# Altium PCB PCB1.PcbDoc (part 13 of 15)
Units mm, origin at the board's own origin, x right, y up, seen from the top; angles counter-clockwise.
Board outline 77.21 x 58.7 mm, 2 copper layers (Top Layer, Bottom Layer); 194 components, 134 nets, 25878 pads, 596 vias.
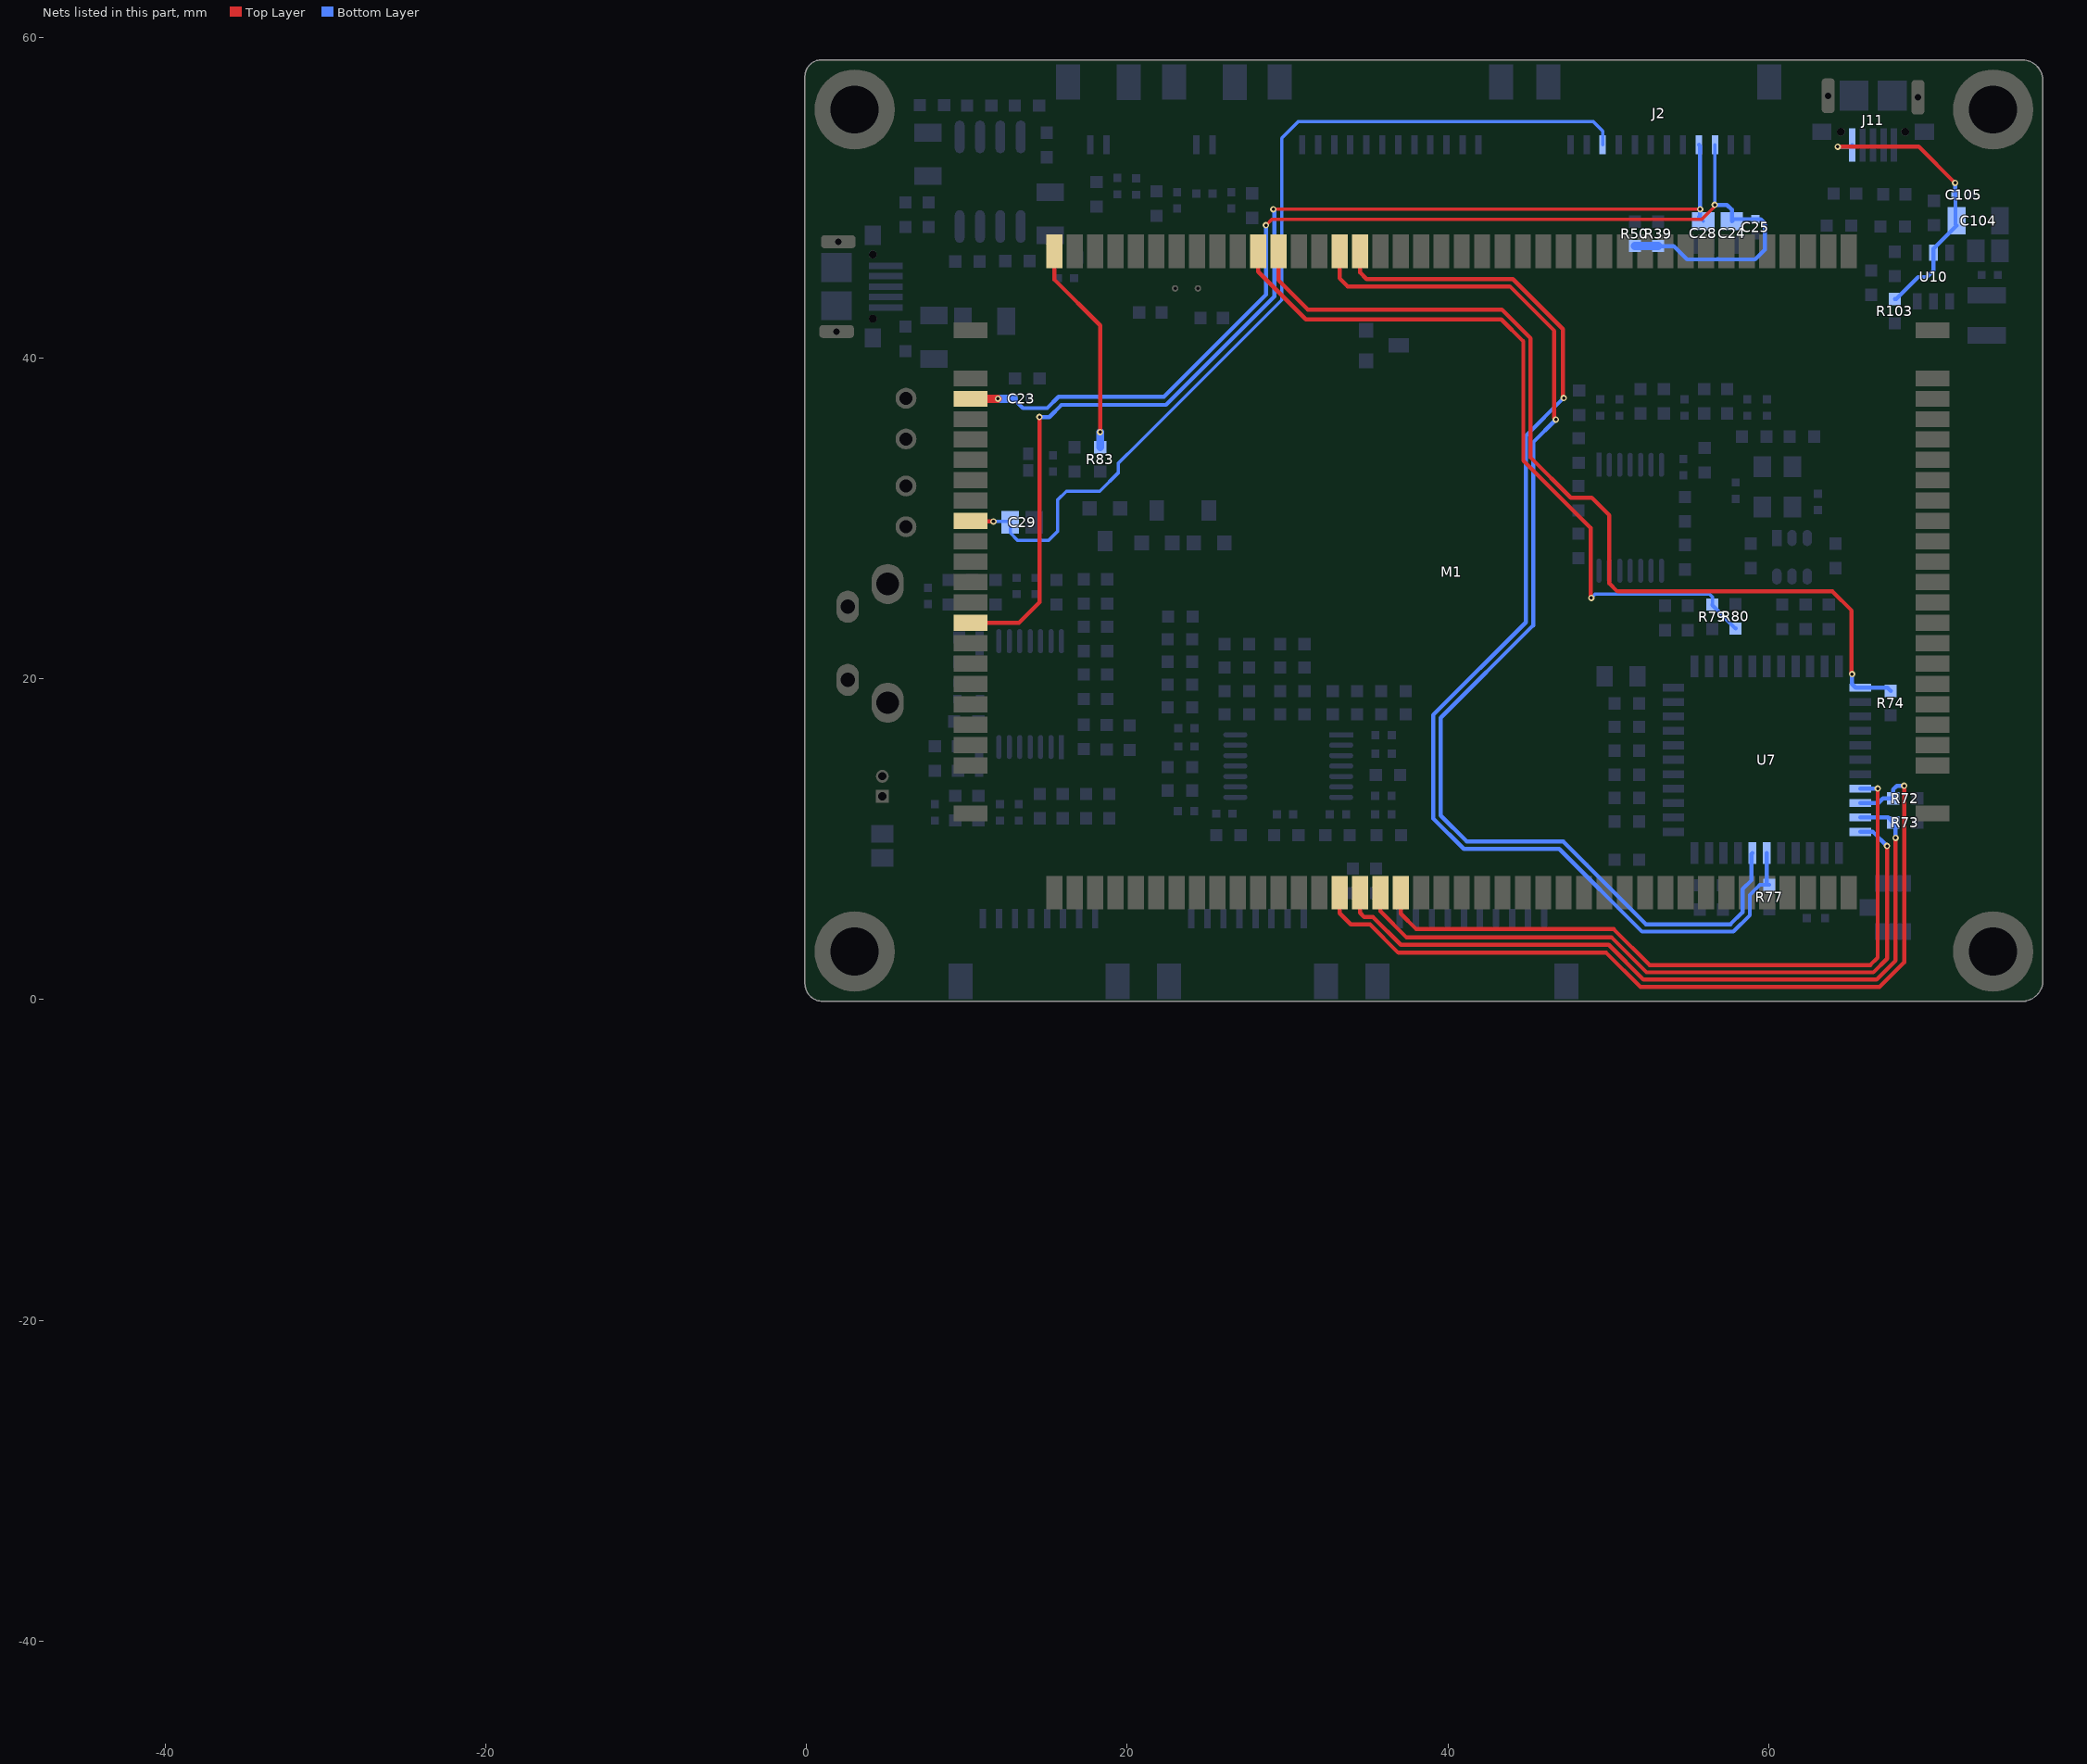
[diagram p13: the nets of this part, all layers, seen from the top]

## Free pads (board coordinates) (continued)
  round 0.001 on Mech2: 1(-45.292,-43.983) 1(-45.292,-43.983) 1(-45.292,-43.983) 1(-45.292,-43.982) 1(-45.292,-43.982) 1(-45.292,-43.982) 1(-45.292,-43.982) 1(-45.292,-43.982) 1(-45.292,-43.982) 1(-45.292,-43.979) 1(-45.292,-43.979) 1(-45.292,-43.979) 1(-45.292,-43.979) 1(-45.292,-43.979) 1(-45.292,-43.979) 1(-45.292,-43.978) 1(-45.292,-43.978) 1(-45.292,-43.978) 1(-45.291,-44.005) 1(-45.291,-44.005) 1(-45.291,-44.005) 1(-45.291,-44) 1(-45.291,-44) 1(-45.291,-44) 1(-45.289,-44.015) 1(-45.289,-44.015) 1(-45.289,-44.015) 1(-45.289,-44.012) 1(-45.289,-44.012) 1(-45.289,-44.012) 1(-45.289,-44.012) 1(-45.289,-44.012) 1(-45.289,-44.012) 1(-45.289,-44.011) 1(-45.289,-44.011) 1(-45.289,-44.011) 1(-45.289,-44.012) 1(-45.289,-44.012) 1(-45.289,-44.012) 1(-45.289,-43.975) 1(-45.289,-43.975) 1(-45.289,-43.975) 1(-45.287,-43.984) 1(-45.287,-43.984) 1(-45.287,-43.984) 1(-45.287,-43.975) 1(-45.287,-43.975) 1(-45.287,-43.975) 1(-45.287,-43.995) 1(-45.287,-43.995) 1(-45.287,-43.995) 1(-45.287,-43.993) 1(-45.287,-43.993) 1(-45.287,-43.993) 1(-45.287,-43.99) 1(-45.287,-43.99) 1(-45.287,-43.99) 1(-45.287,-43.987) 1(-45.287,-43.987) 1(-45.287,-43.987) 1(-45.287,-43.985) 1(-45.287,-43.985) 1(-45.287,-43.985) 1(-45.287,-43.985) 1(-45.287,-43.985) 1(-45.287,-43.985) 1(-45.287,-43.986) 1(-45.287,-43.986) 1(-45.287,-43.986) 1(-45.286,-43.971) 1(-45.286,-43.971) 1(-45.286,-43.971) 1(-45.286,-43.975) 1(-45.286,-43.975) 1(-45.286,-43.975) 1(-45.286,-43.985) 1(-45.286,-43.985) 1(-45.286,-43.985) 1(-45.285,-43.998) 1(-45.285,-43.998) 1(-45.285,-43.998) 1(-45.285,-43.998) 1(-45.285,-43.998) 1(-45.285,-43.998) 1(-45.285,-43.997) 1(-45.285,-43.997) 1(-45.285,-43.997) 1(-45.285,-43.975) 1(-45.285,-43.975) 1(-45.285,-43.975) 1(-45.285,-43.975) 1(-45.285,-43.975) 1(-45.285,-43.975) 1(-45.285,-43.969) 1(-45.285,-43.969) 1(-45.285,-43.969) 1(-45.285,-43.969) 1(-45.285,-43.969) 1(-45.285,-43.969) 1(-45.285,-43.969) 1(-45.285,-43.969) 1(-45.285,-43.969) 1(-45.285,-43.975) 1(-45.285,-43.975) 1(-45.285,-43.975) 1(-45.285,-43.975) 1(-45.285,-43.975) 1(-45.285,-43.975) 1(-45.285,-43.999) 1(-45.285,-43.999) 1(-45.285,-43.999) 1(-45.284,-44.014) 1(-45.284,-44.014) 1(-45.284,-44.014) 1(-45.284,-43.971) 1(-45.284,-43.971) 1(-45.284,-43.971) 1(-45.284,-43.971) 1(-45.284,-43.971) 1(-45.284,-43.971) 1(-45.284,-44.006) 1(-45.284,-44.006) 1(-45.284,-44.006) 1(-45.284,-44.005) 1(-45.284,-44.005) 1(-45.284,-44.005) 1(-45.284,-43.977) 1(-45.284,-43.977) 1(-45.284,-43.977) 1(-45.284,-43.976) 1(-45.284,-43.976) 1(-45.284,-43.976) 1(-45.284,-43.975) 1(-45.284,-43.975) 1(-45.284,-43.975) 1(-45.284,-43.975) 1(-45.284,-43.975) 1(-45.284,-43.975) 1(-45.284,-43.972) 1(-45.284,-43.972) 1(-45.284,-43.972) 1(-45.284,-43.971) 1(-45.284,-43.971) 1(-45.284,-43.971) 1(-45.284,-43.971) 1(-45.284,-43.971) 1(-45.284,-43.971) 1(-45.284,-43.971) 1(-45.284,-43.971) 1(-45.284,-43.971) 1(-45.284,-43.97) 1(-45.284,-43.97) 1(-45.284,-43.97) 1(-45.284,-43.969) 1(-45.284,-43.969) 1(-45.284,-43.969) 1(-45.283,-44.014) 1(-45.283,-44.014) 1(-45.283,-44.014) 1(-45.283,-43.979) 1(-45.283,-43.979) 1(-45.283,-43.979) 1(-45.283,-43.977) 1(-45.283,-43.977) 1(-45.283,-43.977) 1(-45.283,-43.977) 1(-45.283,-43.977) 1(-45.283,-43.977) 1(-45.283,-44.006) 1(-45.283,-44.006) 1(-45.283,-44.006) 1(-45.283,-44.005) 1(-45.283,-44.005) 1(-45.283,-44.005) 1(-45.283,-43.977) 1(-45.283,-43.977) 1(-45.283,-43.977) 1(-45.283,-43.977) 1(-45.283,-43.977) 1(-45.283,-43.977) 1(-45.283,-43.976) 1(-45.283,-43.976) 1(-45.283,-43.976) 1(-45.283,-43.972) 1(-45.283,-43.972) 1(-45.283,-43.972) 1(-45.283,-43.972) 1(-45.283,-43.972) 1(-45.283,-43.972) 1(-45.283,-43.972) 1(-45.283,-43.972) 1(-45.283,-43.972) 1(-45.283,-43.971) 1(-45.283,-43.971) 1(-45.283,-43.971) 1(-45.283,-43.971) 1(-45.283,-43.971) 1(-45.283,-43.971) 1(-45.283,-43.97) 1(-45.283,-43.97) 1(-45.283,-43.97) 1(-45.282,-43.969) 1(-45.282,-43.969) 1(-45.282,-43.969) 1(-45.282,-43.991) 1(-45.282,-43.991) 1(-45.282,-43.991) 1(-45.282,-43.99) 1(-45.282,-43.99) 1(-45.282,-43.99) 1(-45.282,-43.999) 1(-45.282,-43.999) 1(-45.282,-43.999) 1(-45.282,-43.999) 1(-45.282,-43.999) 1(-45.282,-43.999) 1(-45.282,-43.999) 1(-45.282,-43.999) 1(-45.282,-43.999) 1(-45.282,-43.987) 1(-45.282,-43.987) 1(-45.282,-43.987) 1(-45.282,-43.986) 1(-45.282,-43.986) 1(-45.282,-43.986) 1(-45.282,-43.986) 1(-45.282,-43.986) 1(-45.282,-43.986) 1(-45.282,-44.014) 1(-45.282,-44.014) 1(-45.282,-44.014) 1(-45.282,-43.986) 1(-45.282,-43.986) 1(-45.282,-43.986) 1(-45.282,-43.978) 1(-45.282,-43.978) 1(-45.282,-43.978) 1(-45.282,-43.978) 1(-45.282,-43.978) 1(-45.282,-43.978) 1(-45.282,-43.977) 1(-45.282,-43.977) 1(-45.282,-43.977) 1(-45.282,-43.977) 1(-45.282,-43.977) 1(-45.282,-43.977) 1(-45.282,-43.976) 1(-45.282,-43.976) 1(-45.282,-43.976) 1(-45.282,-43.972) 1(-45.282,-43.972) 1(-45.282,-43.972) 1(-45.282,-43.971) 1(-45.282,-43.971) 1(-45.282,-43.971) 1(-45.282,-43.97) 1(-45.282,-43.97) 1(-45.282,-43.97) 1(-45.282,-43.97) 1(-45.282,-43.97) 1(-45.282,-43.97) 1(-45.282,-43.97) 1(-45.282,-43.97) 1(-45.282,-43.97) 1(-45.282,-43.986) 1(-45.282,-43.986) 1(-45.282,-43.986) 1(-45.281,-43.992) 1(-45.281,-43.992) 1(-45.281,-43.992) 1(-45.281,-43.992) 1(-45.281,-43.992) 1(-45.281,-43.992) 1(-45.281,-43.979) 1(-45.281,-43.979) 1(-45.281,-43.979) 1(-45.281,-43.978) 1(-45.281,-43.978) 1(-45.281,-43.978) 1(-45.281,-43.978) 1(-45.281,-43.978) 1(-45.281,-43.978) 1(-45.281,-43.983) 1(-45.281,-43.983) 1(-45.281,-43.983) 1(-45.281,-43.983) 1(-45.281,-43.983) 1(-45.281,-43.983) 1(-45.281,-43.983) 1(-45.281,-43.983) 1(-45.281,-43.983) 1(-45.281,-43.999) 1(-45.281,-43.999) 1(-45.281,-43.999) 1(-45.281,-43.999) 1(-45.281,-43.999) 1(-45.281,-43.999) 1(-45.281,-44.014) 1(-45.281,-44.014) 1(-45.281,-44.014) 1(-45.281,-44.014) 1(-45.281,-44.014) 1(-45.281,-44.014) 1(-45.281,-43.987) 1(-45.281,-43.987) 1(-45.281,-43.987) 1(-45.281,-43.99) 1(-45.281,-43.99) 1(-45.281,-43.99) 1(-45.281,-43.99) 1(-45.281,-43.99) 1(-45.281,-43.99) 1(-45.281,-43.969) 1(-45.281,-43.969) 1(-45.281,-43.969) 1(-45.281,-43.986) 1(-45.281,-43.986) 1(-45.281,-43.986) 1(-45.28,-44.014) 1(-45.28,-44.014) 1(-45.28,-44.014) 1(-45.28,-43.977) 1(-45.28,-43.977) 1(-45.28,-43.977) 1(-45.28,-43.977) 1(-45.28,-43.977) 1(-45.28,-43.977) 1(-45.28,-43.977) 1(-45.28,-43.977) 1(-45.28,-43.977) 1(-45.28,-43.976) 1(-45.28,-43.976) 1(-45.28,-43.976) 1(-45.28,-43.975) 1(-45.28,-43.975) 1(-45.28,-43.975) 1(-45.28,-43.975) 1(-45.28,-43.975) 1(-45.28,-43.975) 1(-45.28,-43.972) 1(-45.28,-43.972) 1(-45.28,-43.972) 1(-45.28,-43.971) 1(-45.28,-43.971) 1(-45.28,-43.971) 1(-45.28,-43.97) 1(-45.28,-43.97) 1(-45.28,-43.97) 1(-45.28,-43.97) 1(-45.28,-43.97) 1(-45.28,-43.97) 1(-45.28,-43.97) 1(-45.28,-43.97) 1(-45.28,-43.97) 1(-45.28,-43.977) 1(-45.28,-43.977) 1(-45.28,-43.977) 1(-45.28,-43.977) 1(-45.28,-43.977) 1(-45.28,-43.977) 1(-45.28,-43.992) 1(-45.28,-43.992) 1(-45.28,-43.992) 1(-45.28,-43.992) 1(-45.28,-43.992) 1(-45.28,-43.992) 1(-45.28,-43.991) 1(-45.28,-43.991) 1(-45.28,-43.991) 1(-45.28,-43.992) 1(-45.28,-43.992) 1(-45.28,-43.992) 1(-45.28,-43.992) 1(-45.28,-43.992) 1(-45.28,-43.992) 1(-45.28,-43.983) 1(-45.28,-43.983) 1(-45.28,-43.983) 1(-45.28,-43.983) 1(-45.28,-43.983) 1(-45.28,-43.983) 1(-45.279,-43.999) 1(-45.279,-43.999) 1(-45.279,-43.999) 1(-45.279,-43.983) 1(-45.279,-43.983) 1(-45.279,-43.983) 1(-45.279,-43.983) 1(-45.279,-43.983) 1(-45.279,-43.983) 1(-45.279,-44.014) 1(-45.279,-44.014) 1(-45.279,-44.014) 1(-45.278,-43.983) 1(-45.278,-43.983) 1(-45.278,-43.983) 1(-45.278,-43.983) 1(-45.278,-43.983) 1(-45.278,-43.983) 1(-45.278,-43.977) 1(-45.278,-43.977) 1(-45.278,-43.977) 1(-45.278,-43.977) 1(-45.278,-43.977) 1(-45.278,-43.977) 1(-45.278,-43.975) 1(-45.278,-43.975) 1(-45.278,-43.975) 1(-45.278,-43.975) 1(-45.278,-43.975) 1(-45.278,-43.975) 1(-45.278,-43.992) 1(-45.278,-43.992) 1(-45.278,-43.992) 1(-45.278,-43.992) 1(-45.278,-43.992) 1(-45.278,-43.992) 1(-45.278,-43.991) 1(-45.278,-43.991) 1(-45.278,-43.991) 1(-45.278,-43.98) 1(-45.278,-43.98) 1(-45.278,-43.98) 1(-45.278,-43.98) 1(-45.278,-43.98) 1(-45.278,-43.98) 1(-45.278,-43.979) 1(-45.278,-43.979) 1(-45.278,-43.979) 1(-45.278,-43.979) 1(-45.278,-43.979) 1(-45.278,-43.979) 1(-45.278,-43.977) 1(-45.278,-43.977) 1(-45.278,-43.977) 1(-45.278,-43.977) 1(-45.278,-43.977) 1(-45.278,-43.977) 1(-45.278,-43.98) 1(-45.278,-43.98) 1(-45.278,-43.98) 1(-45.278,-43.99) 1(-45.278,-43.99) 1(-45.278,-43.99) 1(-45.278,-43.99) 1(-45.278,-43.99) 1(-45.278,-43.99) 1(-45.278,-44.014) 1(-45.278,-44.014) 1(-45.278,-44.014) 1(-45.277,-43.98) 1(-45.277,-43.98) 1(-45.277,-43.98) 1(-45.277,-43.992) 1(-45.277,-43.992) 1(-45.277,-43.992) 1(-45.277,-43.99) 1(-45.277,-43.99) 1(-45.277,-43.99) 1(-45.277,-43.98) 1(-45.277,-43.98) 1(-45.277,-43.98) 1(-45.277,-43.98) 1(-45.277,-43.98) 1(-45.277,-43.98) 1(-45.277,-43.979) 1(-45.277,-43.979) 1(-45.277,-43.979) 1(-45.276,-43.986) 1(-45.276,-43.986) 1(-45.276,-43.986) 1(-45.276,-43.986) 1(-45.276,-43.986) 1(-45.276,-43.986) 1(-45.275,-43.99) 1(-45.275,-43.99) 1(-45.275,-43.99) 1(-45.275,-43.99) 1(-45.275,-43.99) 1(-45.275,-43.99) 1(-45.274,-44.021) 1(-45.274,-44.021) 1(-45.274,-44.021) 1(-45.274,-44.017) 1(-45.274,-44.017) 1(-45.274,-44.017) 1(-45.271,-44.009) 1(-45.271,-44.009) 1(-45.271,-44.009) 1(-45.271,-44.012) 1(-45.271,-44.012) 1(-45.271,-44.012) 1(-45.271,-44.01) 1(-45.271,-44.01) 1(-45.271,-44.01) 1(-45.271,-44.007) 1(-45.271,-44.007) 1(-45.271,-44.007) 1(-45.271,-44.005) 1(-45.271,-44.005) 1(-45.271,-44.005) 1(-45.271,-43.986) 1(-45.271,-43.986) 1(-45.271,-43.986) 1(-45.271,-43.986) 1(-45.271,-43.986) 1(-45.271,-43.986) 1(-45.271,-44.014) 1(-45.271,-44.014) 1(-45.271,-44.014) 1(-45.271,-44.014) 1(-45.271,-44.014) 1(-45.271,-44.014) 1(-45.271,-44.013) 1(-45.271,-44.013) 1(-45.271,-44.013) 1(-45.27,-44.014) 1(-45.27,-44.014) 1(-45.27,-44.014) 1(-45.27,-44.009) 1(-45.27,-44.009) 1(-45.27,-44.009) 1(-45.27,-44.009) 1(-45.27,-44.009) 1(-45.27,-44.009) 1(-45.27,-44.009) 1(-45.27,-44.009) 1(-45.27,-44.009) 1(-45.27,-44.009) 1(-45.27,-44.009) 1(-45.27,-44.009) 1(-45.27,-44.008) 1(-45.27,-44.008) 1(-45.27,-44.008) 1(-45.269,-44.021) 1(-45.269,-44.021) 1(-45.269,-44.021) 1(-45.269,-44.021) 1(-45.269,-44.021) 1(-45.269,-44.021) 1(-45.269,-44.02) 1(-45.269,-44.02) 1(-45.269,-44.02) 1(-45.268,-44.021) 1(-45.268,-44.021) 1(-45.268,-44.021) 1(-45.268,-44.021) 1(-45.268,-44.021) 1(-45.268,-44.021) 1(-45.268,-43.983) 1(-45.268,-43.983) 1(-45.268,-43.983) 1(-45.268,-43.983) 1(-45.268,-43.983) 1(-45.268,-43.983) 1(-45.268,-43.982) 1(-45.268,-43.982) 1(-45.268,-43.982) 1(-45.267,-44.021) 1(-45.267,-44.021) 1(-45.267,-44.021) 1(-45.267,-44.021) 1(-45.267,-44.021) 1(-45.267,-44.021) 1(-45.267,-44.021) 1(-45.267,-44.021) 1(-45.267,-44.021) 1(-45.267,-44.021) 1(-45.267,-44.021) 1(-45.267,-44.021) 1(-45.267,-44.021) 1(-45.267,-44.021) 1(-45.267,-44.021) 1(-45.267,-44.02) 1(-45.267,-44.02) 1(-45.267,-44.02) 1(-45.265,-44.021) 1(-45.265,-44.021) 1(-45.265,-44.021) 1(-45.265,-44.021) 1(-45.265,-44.021) 1(-45.265,-44.021) 1(-45.265,-44.021) 1(-45.265,-44.021) 1(-45.265,-44.021) 1(-45.265,-44.021) 1(-45.265,-44.021) 1(-45.265,-44.021) 1(-45.265,-44.021) 1(-45.265,-44.021) 1(-45.265,-44.021) 1(-45.265,-44.02) 1(-45.265,-44.02) 1(-45.265,-44.02) 1(-45.263,-44.021) 1(-45.263,-44.021) 1(-45.263,-44.021) 1(-45.263,-44.021) 1(-45.263,-44.021) 1(-45.263,-44.021) 1(-45.263,-44.021) 1(-45.263,-44.021) 1(-45.263,-44.021) 1(-45.263,-44.021) 1(-45.263,-44.021) 1(-45.263,-44.021) 1(-45.263,-44.02) 1(-45.263,-44.02) 1(-45.263,-44.02) 1(-45.263,-44.006) 1(-45.263,-44.006) 1(-45.263,-44.006) 1(-45.262,-44.006) 1(-45.262,-44.006) 1(-45.262,-44.006) 1(-45.262,-44.006) 1(-45.262,-44.006) 1(-45.262,-44.006) 1(-45.262,-44.006) 1(-45.262,-44.006) 1(-45.262,-44.006) 1(-45.26,-44.017) 1(-45.26,-44.017) 1(-45.26,-44.017) 1(-45.259,-44.021) 1(-45.259,-44.021) 1(-45.259,-44.021) 1(-45.258,-44.021) 1(-45.258,-44.021) 1(-45.258,-44.021) 1(-45.258,-44.021) 1(-45.258,-44.021) 1(-45.258,-44.021) 1(-45.258,-44.018) 1(-45.258,-44.018) 1(-45.258,-44.018) 1(-45.258,-44.017) 1(-45.258,-44.017) 1(-45.258,-44.017) 1(-45.258,-44.021) 1(-45.258,-44.021) 1(-45.258,-44.021) 1(-45.258,-44.021) 1(-45.258,-44.021) 1(-45.258,-44.021) 1(-45.258,-44.021) 1(-45.258,-44.021) 1(-45.258,-44.021) 1(-45.257,-44.013) 1(-45.257,-44.013) 1(-45.257,-44.013) 1(-45.257,-44.012) 1(-45.257,-44.012) 1(-45.257,-44.012) 1(-45.257,-44.012) 1(-45.257,-44.012) 1(-45.257,-44.012) 1(-45.257,-44.01) 1(-45.257,-44.01) 1(-45.257,-44.01) 1(-45.257,-44.01) 1(-45.257,-44.01) 1(-45.257,-44.01) 1(-45.257,-44.008) 1(-45.257,-44.008) 1(-45.257,-44.008) 1(-45.257,-44.012) 1(-45.257,-44.012) 1(-45.257,-44.012) 1(-45.257,-44.012) 1(-45.257,-44.012) 1(-45.257,-44.012) 1(-45.257,-44.01) 1(-45.257,-44.01) 1(-45.257,-44.01) 1(-45.257,-44.01) 1(-45.257,-44.01) 1(-45.257,-44.01) 1(-45.257,-44.012) 1(-45.257,-44.012) 1(-45.257,-44.012) 1(-45.257,-44.01) 1(-45.257,-44.01) 1(-45.257,-44.01) 1(-45.257,-44.01) 1(-45.257,-44.01) 1(-45.257,-44.01) 1(-45.257,-44.008) 1(-45.257,-44.008) 1(-45.257,-44.008) 1(-45.254,-44.018) 1(-45.254,-44.018) 1(-45.254,-44.018) 1(-45.254,-44.02) 1(-45.254,-44.02) 1(-45.254,-44.02) 1(-45.254,-44.018) 1(-45.254,-44.018) 1(-45.254,-44.018) 1(-45.254,-44.018) 1(-45.254,-44.018) 1(-45.254,-44.018) 1(-45.252,-44.021) 1(-45.252,-44.021) 1(-45.252,-44.021) 1(-45.252,-44.021) 1(-45.252,-44.021) 1(-45.252,-44.021) 1(-45.252,-44.021) 1(-45.252,-44.021) 1(-45.252,-44.021) 1(-45.252,-44.021) 1(-45.252,-44.021) 1(-45.252,-44.021) 1(-45.252,-44.02) 1(-45.252,-44.02) 1(-45.252,-44.02) 1(-45.247,-44.001) 1(-45.247,-44.001) 1(-45.247,-44.001) 1(-45.247,-44.001) 1(-45.247,-44.001) 1(-45.247,-44.001) 1(-45.247,-43.999) 1(-45.247,-43.999) 1(-45.247,-43.999) 1(-45.247,-44.011) 1(-45.247,-44.011) 1(-45.247,-44.011) 1(-45.247,-44.008) 1(-45.247,-44.008) 1(-45.247,-44.008) 1(-45.247,-44.008) 1(-45.247,-44.008) 1(-45.247,-44.008) 1(-45.247,-44.008) 1(-45.247,-44.008) 1(-45.247,-44.008) 1(-45.246,-44.002) 1(-45.246,-44.002) 1(-45.246,-44.002) 1(-45.246,-44.002) 1(-45.246,-44.002) 1(-45.246,-44.002) 1(-45.245,-44.002) 1(-45.245,-44.002) 1(-45.245,-44.002) 1(-45.245,-44.002) 1(-45.245,-44.002) 1(-45.245,-44.002) 1(-45.243,-44.006) 1(-45.243,-44.006) 1(-45.243,-44.006) 1(-45.243,-44.011) 1(-45.243,-44.011) 1(-45.243,-44.011) 1(-45.243,-44.011) 1(-45.243,-44.011) 1(-45.243,-44.011) 1(-45.243,-44.014) 1(-45.243,-44.014) 1(-45.243,-44.014) 1(-45.243,-44.012) 1(-45.243,-44.012) 1(-45.243,-44.012) 1(-45.243,-44.012) 1(-45.243,-44.012) 1(-45.243,-44.012) 1(-45.243,-44.012) 1(-45.243,-44.012) 1(-45.243,-44.012) 1(-45.243,-44.012) 1(-45.243,-44.012) 1(-45.243,-44.012) 1(-45.243,-44.011) 1(-45.243,-44.011) 1(-45.243,-44.011) 1(-45.243,-44.011) 1(-45.243,-44.011) 1(-45.243,-44.011) 1(-45.243,-44.011) 1(-45.243,-44.011) 1(-45.243,-44.011) 1(-45.243,-44.011) 1(-45.243,-44.011) 1(-45.243,-44.011) 1(-45.243,-44.008) 1(-45.243,-44.008) 1(-45.243,-44.008) 1(-45.243,-44.008) 1(-45.243,-44.008) 1(-45.243,-44.008) 1(-45.243,-44.008) 1(-45.243,-44.008) 1(-45.243,-44.008) 1(-45.243,-44.008) 1(-45.243,-44.008) 1(-45.243,-44.008) 1(-45.243,-44.006) 1(-45.243,-44.006) 1(-45.243,-44.006) 1(-45.243,-44.006) 1(-45.243,-44.006) 1(-45.243,-44.006) 1(-45.242,-43.978) 1(-45.242,-43.978) 1(-45.242,-43.978) 1(-45.241,-44) 1(-45.241,-44) 1(-45.241,-44) 1(-45.241,-44) 1(-45.241,-44) 1(-45.241,-44) 1(-45.241,-44) 1(-45.241,-44) 1(-45.241,-44) 1(-45.241,-43.978) 1(-45.241,-43.978) 1(-45.241,-43.978) 1(-45.24,-44.002) 1(-45.24,-44.002) 1(-45.24,-44.002) 1(-45.24,-44.002) 1(-45.24,-44.002) 1(-45.24,-44.002) 1(-45.24,-44.004) 1(-45.24,-44.004) 1(-45.24,-44.004) 1(-45.24,-44.004) 1(-45.24,-44.004) 1(-45.24,-44.004) 1(-45.24,-44.002) 1(-45.24,-44.002) 1(-45.24,-44.002) 1(-45.24,-44.002) 1(-45.24,-44.002) 1(-45.24,-44.002) 1(-45.24,-44.005) 1(-45.24,-44.005) 1(-45.24,-44.005) 1(-45.24,-44.005) 1(-45.24,-44.005) 1(-45.24,-44.005) 1(-45.24,-44.005) 1(-45.24,-44.005) 1(-45.24,-44.005) 1(-45.24,-44.005) 1(-45.24,-44.005) 1(-45.24,-44.005) 1(-45.239,-44.019) 1(-45.239,-44.019) 1(-45.239,-44.019) 1(-45.239,-44.019) 1(-45.239,-44.019) 1(-45.239,-44.019) 1(-45.239,-44.016) 1(-45.239,-44.016) 1(-45.239,-44.016) 1(-45.239,-44.019) 1(-45.239,-44.019) 1(-45.239,-44.019) 1(-45.239,-44.019) 1(-45.239,-44.019) 1(-45.239,-44.019) 1(-45.239,-44) 1(-45.239,-44) 1(-45.239,-44) 1(-45.238,-44.019) 1(-45.238,-44.019) 1(-45.238,-44.019) 1(-45.238,-44.005) 1(-45.238,-44.005) 1(-45.238,-44.005) 1(-45.238,-44.005) 1(-45.238,-44.005) 1(-45.238,-44.005) 1(-45.238,-44.019) 1(-45.238,-44.019) 1(-45.238,-44.019) 1(-45.238,-44.018) 1(-45.238,-44.018) 1(-45.238,-44.018) 1(-45.237,-44.006) 1(-45.237,-44.006) 1(-45.237,-44.006) 1(-45.237,-44.006) 1(-45.237,-44.006) 1(-45.237,-44.006) 1(-45.237,-44.019) 1(-45.237,-44.019) 1(-45.237,-44.019) 1(-45.237,-44.018) 1(-45.237,-44.018) 1(-45.237,-44.018) 1(-45.237,-44.018) 1(-45.237,-44.018) 1(-45.237,-44.018) 1(-45.236,-44.018) 1(-45.236,-44.018) 1(-45.236,-44.018) 1(-45.236,-44.018) 1(-45.236,-44.018) 1(-45.236,-44.018) 1(-45.236,-44.016) 1(-45.236,-44.016) 1(-45.236,-44.016) 1(-45.236,-44.016) 1(-45.236,-44.016) 1(-45.236,-44.016) 1(-45.236,-44.007) 1(-45.236,-44.007) 1(-45.236,-44.007) 1(-45.236,-44.007) 1(-45.236,-44.007) 1(-45.236,-44.007) 1(-45.236,-44) 1(-45.236,-44) 1(-45.236,-44) 1(-45.234,-44) 1(-45.234,-44) 1(-45.234,-44) 1(-45.234,-44) 1(-45.234,-44) 1(-45.234,-44) 1(-45.233,-43.999) 1(-45.233,-43.999) 1(-45.233,-43.999) 1(-45.233,-43.998) 1(-45.233,-43.998) 1(-45.233,-43.998) 1(-45.233,-44.004) 1(-45.233,-44.004) 1(-45.233,-44.004) 1(-45.233,-44.002) 1(-45.233,-44.002) 1(-45.233,-44.002) 1(-45.233,-44.002) 1(-45.233,-44.002) 1(-45.233,-44.002) 1(-45.233,-44) 1(-45.233,-44) 1(-45.233,-44) 1(-45.233,-44) 1(-45.233,-44) 1(-45.233,-44) 1(-45.233,-44.002) 1(-45.233,-44.002) 1(-45.233,-44.002) 1(-45.233,-44) 1(-45.233,-44) 1(-45.233,-44) 1(-45.232,-43.999) 1(-45.232,-43.999) 1(-45.232,-43.999) 1(-45.232,-43.998) 1(-45.232,-43.998) 1(-45.232,-43.998) 1(-45.232,-43.996) 1(-45.232,-43.996) 1(-45.232,-43.996) 1(-45.232,-43.996) 1(-45.232,-43.996) 1(-45.232,-43.996) 1(-45.232,-44.004) 1(-45.232,-44.004) 1(-45.232,-44.004) 1(-45.232,-44.003) 1(-45.232,-44.003) 1(-45.232,-44.003) 1(-45.232,-44.003) 1(-45.232,-44.003) 1(-45.232,-44.003) 1(-45.231,-44.003) 1(-45.231,-44.003) 1(-45.231,-44.003) 1(-45.231,-44.003) 1(-45.231,-44.003) 1(-45.231,-44.003) 1(-45.231,-44.002) 1(-45.231,-44.002) 1(-45.231,-44.002) 1(-45.231,-44.02) 1(-45.231,-44.02) 1(-45.231,-44.02) 1(-45.231,-43.999) 1(-45.231,-43.999) 1(-45.231,-43.999) 1(-45.231,-43.998) 1(-45.231,-43.998) 1(-45.231,-43.998) 1(-45.231,-43.996) 1(-45.231,-43.996) 1(-45.231,-43.996) 1(-45.231,-43.996) 1(-45.231,-43.996) 1(-45.231,-43.996) 1(-45.231,-44.005) 1(-45.231,-44.005) 1(-45.231,-44.005) 1(-45.231,-44.005) 1(-45.231,-44.005) 1(-45.231,-44.005) 1(-45.231,-44.004) 1(-45.231,-44.004) 1(-45.231,-44.004) 1(-45.231,-44.006) 1(-45.231,-44.006) 1(-45.231,-44.006) 1(-45.231,-44.006) 1(-45.231,-44.006) 1(-45.231,-44.006) 1(-45.23,-44.02) 1(-45.23,-44.02) 1(-45.23,-44.02) 1(-45.23,-44.02) 1(-45.23,-44.02) 1(-45.23,-44.02) 1(-45.23,-44.002) 1(-45.23,-44.002) 1(-45.23,-44.002) 1(-45.23,-44.002) 1(-45.23,-44.002) 1(-45.23,-44.002) 1(-45.23,-44.002) 1(-45.23,-44.002) 1(-45.23,-44.002) 1(-45.23,-44.006) 1(-45.23,-44.006) 1(-45.23,-44.006) 1(-45.23,-44.006) 1(-45.23,-44.006) 1(-45.23,-44.006) 1(-45.229,-44.005) 1(-45.229,-44.005) 1(-45.229,-44.005) 1(-45.229,-44.005) 1(-45.229,-44.005) 1(-45.229,-44.005) 1(-45.229,-44.004) 1(-45.229,-44.004) 1(-45.229,-44.004) 1(-45.229,-44.002) 1(-45.229,-44.002) 1(-45.229,-44.002) 1(-45.229,-44.002) 1(-45.229,-44.002) 1(-45.229,-44.002) 1(-45.229,-44.02) 1(-45.229,-44.02) 1(-45.229,-44.02) 1(-45.229,-44.02) 1(-45.229,-44.02) 1(-45.229,-44.02) 1(-45.228,-43.969) 1(-45.228,-43.969) 1(-45.228,-43.969) 1(-45.228,-44.002) 1(-45.228,-44.002) 1(-45.228,-44.002) 1(-45.228,-44.002) 1(-45.228,-44.002) 1(-45.228,-44.002) 1(-45.227,-44.019) 1(-45.227,-44.019) 1(-45.227,-44.019) 1(-45.226,-43.969) 1(-45.226,-43.969) 1(-45.226,-43.969) 1(-45.226,-44.021) 1(-45.226,-44.021) 1(-45.226,-44.021) 1(-45.226,-44.018) 